# Altium PCB 10515.0461_全联供输出板_V1.1_20200827_1P.PcbDoc (part 2 of 4)
Units mm, origin at the board's own origin, x right, y up, seen from the top; angles counter-clockwise.
Board outline 141.98 x 134.8 mm, 2 copper layers (Top Layer, Bottom Layer); 162 components, 136 nets, 665 pads, 421 vias.
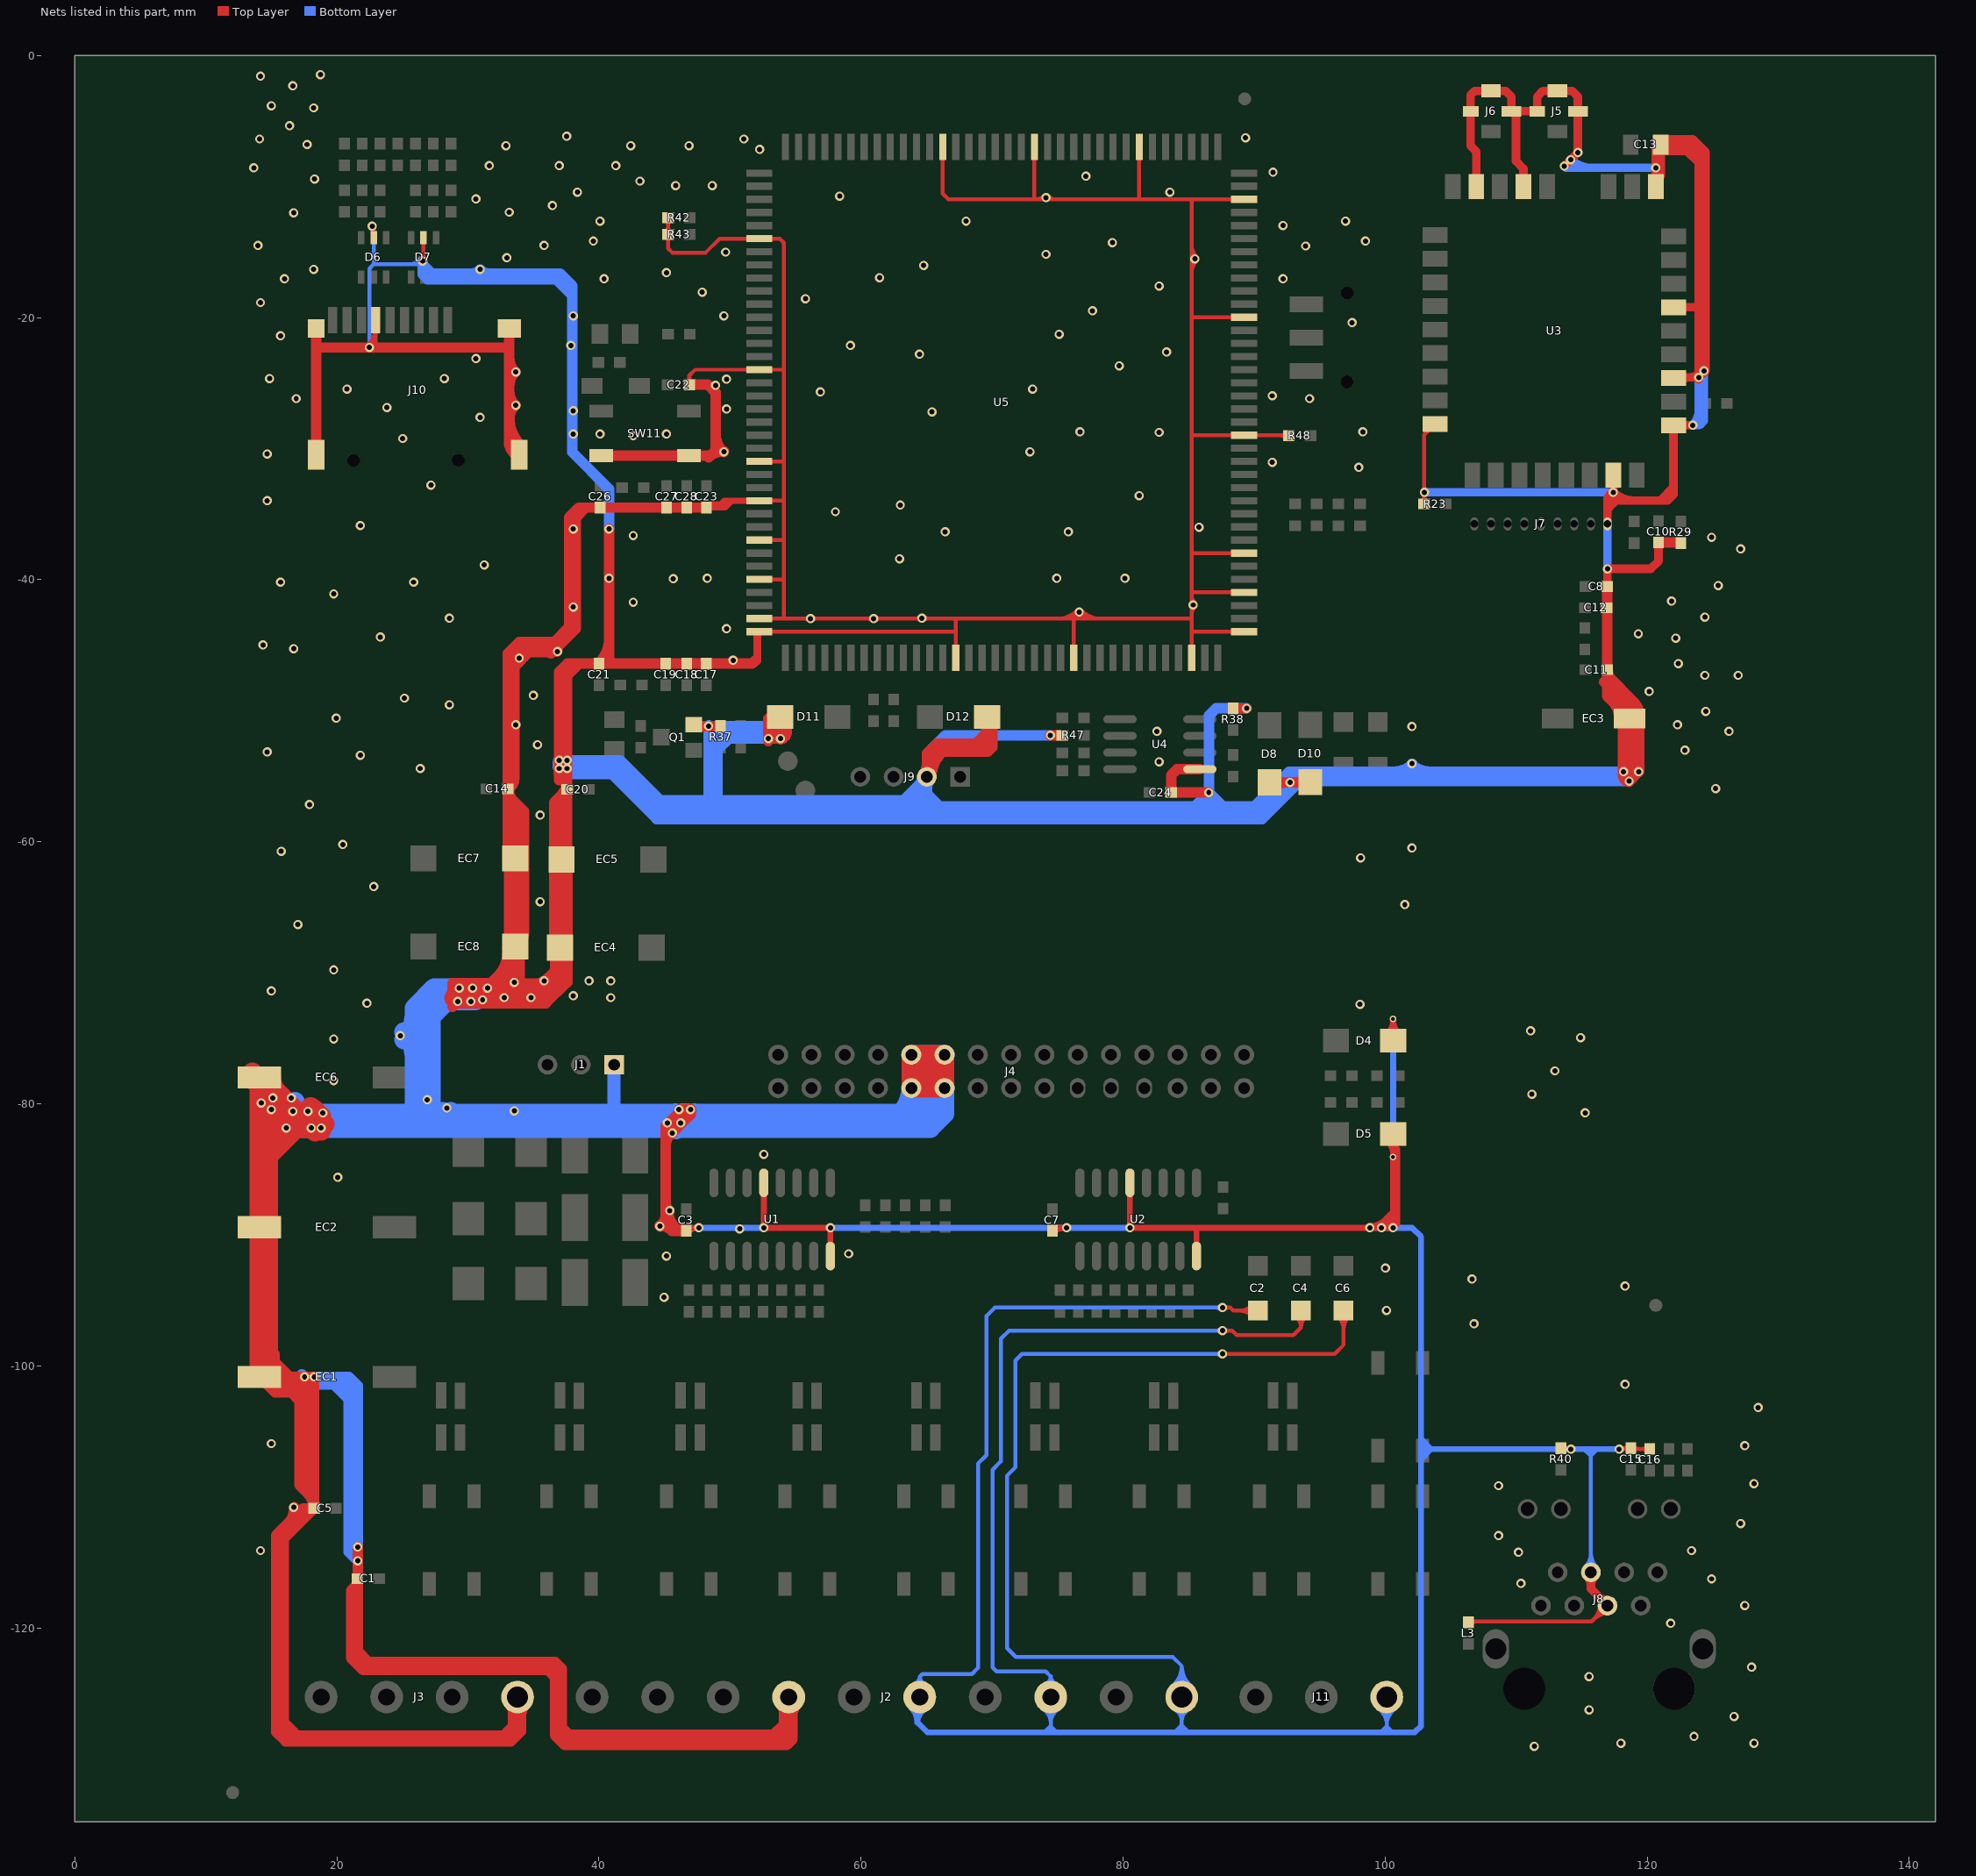
[diagram p2: the nets of this part, all layers, seen from the top]

## Via types
v1: diameter 0.7, hole 0.4, Top Layer to Bottom Layer, tented both sides, 417 vias
v2: diameter 0.5, hole 0.3, Top Layer to Bottom Layer, tented both sides, 4 vias

## Nets (pads, with @x,y where several pads share a name; then routed paths per layer and width w, separated by ;. In a path a pad name is that pad's centre, name@x,y a point inside that pad or via, vN(x,y) a via of type N, cw(c..) or ccw(c..) an arc to the next point about the centre after c; other vN are vias at no path point) (continued)
GND: C1.1 C2.2 C3.2 C4.2 C5.1 C6.2 C7.2 C8.2 C10.1 C11.2 C12.1 C13.1 C14.1 C15.2 C16.1 C17.1 C18.1 C19.1 C20.1 C21.1 C22.1 C23.1 C24.1 C26.1 C27.1 C28.1 D4.2 D5.2 D6.2 D7.2 D8.2 D10.2 D11.2 D12.2 EC1.2 EC2.2 EC3.2 EC4.2 EC5.2 EC6.2 EC7.2 EC8.2 J1.1 J2.1 J2.3 J2.5 J2.7 J3.1 J4.9 J4.10 J4.11 J4.12 J5.2 J5.3 J5.4 J6.2 J6.3 J6.4 J7.1 J8.4 J8.5 J9.2 J10.6 J10.10 J10.11 J10.12 J10.13 J11.1 L3.1 Q1.2 R23.1 R29.1 R37.1 R38.1 R40.2 R42.2 R43.2 R47.2 R48.1 SW11.3 SW11.4 U1.8 U1.13 U2.8 U2.13 U3.1 U3.5 U3.7 U3.17 U3.24 U3.26 U3.28 U3.31 U4.5 U5.6 U5.16 U5.23 U5.26 U5.29 U5.32 U5.35 U5.36 U5.50 U5.59 U5.68 U5.71 U5.74 U5.77 U5.86 U5.95 U5.104 U5.113 U5.121 U5.128 | length 2617.3
  Top Layer w0.3: v1@22.338,-22.137 ccw(c20.832,-20.631) J10.6@22.961,-20.631 ; v1@22.55,-22.349 ccw(c21.557,-21.356) 22.961,-21.356 ; v1@22.553,-13.153 cw(c21.958,-13.748) D6.2@22.799,-13.748 ; 22.762,-22.561 ccw(c22.281,-22.08) 22.961,-22.08 ; D6.2@22.799,-13.896 v1@22.799,-13.068 ; J10.6@22.82,-20.972 cw(c22.478,-21.314) 22.961,-21.314 cw(c23.444,-21.314) J10.6@23.103,-20.972 ; 22.961,-22.278 J10.6@22.961,-20.181 J10.6@22.961,-19.331 ; v1@26.402,-15.533 ccw(c25.901,-15.032) 26.609,-15.032 ; v1@26.609,-15.608 D7.2@26.609,-13.896 ; R43.2@45.094,-13.823 cw(c44.656,-14.261) 45.276,-14.261 cw(c45.895,-14.261) R43.2@45.457,-13.823 ; R43.2@45.094,-13.461 ccw(c44.656,-13.023) 45.276,-13.023 ccw(c45.895,-13.023) R43.2@45.457,-13.461 ; R42.2@45.094,-12.553 cw(c44.656,-12.991) 45.276,-12.991 cw(c45.895,-12.991) R42.2@45.457,-12.553 ; R42.2@45.275,-12.372 45.275,-14.721 45.593,-15.039 48.133,-15.039 49.203,-13.969 U5.6@52.232,-13.969 53.794,-13.969 54.102,-14.277 54.102,-42.969 ; C22.1@46.707,-24.941 ccw(c46.269,-24.503) 46.888,-24.503 ccw(c47.507,-24.503) C22.1@47.07,-24.941 ; C22.1@46.888,-25.122 46.888,-24.412 47.331,-23.969 U5.16@52.232,-23.969 54.015,-23.969 ; U5.16@51.419,-24.057 ccw(c51.205,-24.271) 51.205,-23.969 ccw(c51.205,-23.667) U5.16@51.419,-23.881 ; U5.6@51.419,-14.057 ccw(c51.205,-14.271) 51.205,-13.969 ccw(c51.205,-13.667) U5.6@51.419,-13.881 ; 51.943,-46.408 51.943,-45.519 ; 51.943,-45.646 51.943,-45.519 ; 51.943,-44.968 cw(c53.231,-44.968) 52.32,-44.057 ccw(c52.534,-44.271) 52.232,-44.271 ccw(c51.93,-44.271) U5.36@52.144,-44.057 ; 51.943,-44.244 cw(c52.507,-44.244) U5.36@52.108,-43.845 ; U5.36@52.003,-44.189 cw(c52.232,-44.418) U5.36@52.232,-44.094 ; U5.36@52.025,-44.167 ccw(c51.827,-43.969) U5.36@52.107,-43.969 ; 52.07,-46.408 52.232,-46.246 U5.36@52.232,-43.969 ; U5.35@52.232,-42.969 54.102,-42.969 ; U5.32@52.232,-39.969 54.064,-39.969 ; U5.29@52.232,-36.969 54.061,-36.969 ; U5.26@52.232,-33.969 54.095,-33.969 ; U5.23@52.232,-30.969 54.03,-30.969 ; U5.36@53.045,-44.057 cw(c53.259,-44.271) 53.259,-43.969 cw(c53.259,-43.667) U5.36@53.045,-43.881 ; U5.35@53.045,-43.057 cw(c53.259,-43.271) 53.259,-42.969 cw(c53.259,-42.667) U5.35@53.045,-42.881 ; U5.32@53.045,-40.057 cw(c53.259,-40.271) 53.259,-39.969 cw(c53.259,-39.667) U5.32@53.045,-39.881 ; U5.29@53.045,-37.057 cw(c53.259,-37.271) 53.259,-36.969 cw(c53.259,-36.667) U5.29@53.045,-36.881 ; U5.26@53.045,-34.057 cw(c53.259,-34.271) 53.259,-33.969 ; U5.26@53.045,-33.881 ccw(c53.259,-33.667) 53.259,-33.969 ; U5.23@53.045,-31.057 cw(c53.259,-31.271) 53.259,-30.969 cw(c53.259,-30.667) U5.23@53.045,-30.881 ; U5.16@53.045,-24.057 cw(c53.259,-24.271) 53.259,-23.969 cw(c53.259,-23.667) U5.16@53.045,-23.881 ; U5.6@53.045,-14.057 cw(c53.259,-14.271) 53.259,-13.969 cw(c53.259,-13.667) U5.6@53.045,-13.881 ; D11.2@53.823,-50.472 D11.2@53.823,-50.218 ; v1@55.993,-43.11 ccw(c55.651,-43.452) 55.651,-42.969 ccw(c55.651,-42.486) v1@55.993,-42.828 ; v1@56.275,-43.11 cw(c56.617,-43.452) 56.617,-42.969 cw(c56.617,-42.486) v1@56.275,-42.828 ; v1@60.819,-43.11 ccw(c60.477,-43.452) 60.477,-42.969 ccw(c60.477,-42.486) v1@60.819,-42.828 ; v1@61.101,-43.11 cw(c61.443,-43.452) 61.443,-42.969 cw(c61.443,-42.486) v1@61.101,-42.828 ; J4.10@63.833,-76.253 J4.12@66.373,-76.253 ; 64.092,-42.969 ccw(c64.092,-42.39) v1@64.502,-42.799 ; 64.228,-42.969 cw(c64.228,-43.356) v1@64.502,-43.082 ; J4.10@64.266,-76.686 cw(c65.31,-77.73) 65.31,-76.253 cw(c65.31,-74.775) J4.10@64.266,-75.82 ; v1@64.784,-43.082 cw(c65.058,-43.356) 65.058,-42.969 ; v1@64.784,-42.799 ccw(c65.194,-42.39) 65.194,-42.969 ; J4.12@65.94,-76.686 ccw(c64.895,-77.73) 64.895,-76.253 ccw(c64.895,-74.775) J4.12@65.94,-75.82 ; U5.128@66.144,-7.782 cw(c65.93,-7.996) 66.232,-7.996 cw(c66.534,-7.996) U5.128@66.32,-7.782 ; U5.128@66.232,-6.969 66.232,-10.532 66.669,-10.969 85.232,-10.969 ; U5.50@67.144,-45.156 ccw(c66.93,-44.942) 67.232,-44.942 ccw(c67.534,-44.942) U5.50@67.32,-45.156 ; 67.157,-43.969 U5.36@52.232,-43.969 ; U5.50@67.232,-45.969 67.232,-43.018 ; U5.121@73.144,-7.782 cw(c72.93,-7.996) 73.232,-7.996 cw(c73.534,-7.996) U5.121@73.32,-7.782 ; 73.232,-10.889 U5.121@73.232,-6.969 ; 73.333,-10.969 ccw(c73.333,-10.073) v1@73.967,-10.707 ; v1@74.25,-10.707 ccw(c74.883,-10.073) 74.883,-10.969 ; 74.963,-42.969 ccw(c74.963,-40.786) v1@76.507,-42.33 ; 75.687,-42.969 ccw(c75.687,-41.51) v1@76.719,-42.542 ; U5.59@76.144,-45.156 ccw(c75.93,-44.942) 76.232,-44.942 ccw(c76.534,-44.942) U5.59@76.32,-45.156 ; U5.59@76.232,-45.969 76.232,-43.064 ; 76.365,-42.754 ccw(c76.885,-42.234) 76.885,-42.969 ; 76.412,-42.969 ccw(c76.412,-42.234) 76.931,-42.754 ; v1@76.577,-42.542 ccw(c77.609,-41.51) 77.609,-42.969 ; v1@76.79,-42.33 ccw(c78.333,-40.786) 78.333,-42.969 ; U5.113@81.144,-7.782 cw(c80.93,-7.996) 81.232,-7.996 cw(c81.534,-7.996) U5.113@81.32,-7.782 ; 81.232,-10.921 U5.113@81.232,-6.969 ; 85.095,-42.969 54.102,-42.969 ; U5.68@85.144,-45.156 ccw(c84.93,-44.942) 85.232,-44.942 ccw(c85.534,-44.942) U5.68@85.32,-45.156 ; U5.68@85.232,-45.969 85.232,-10.969 ; 85.232,-42.678 cw(c86.097,-42.678) v1@85.485,-42.066 ; 85.232,-41.172 ccw(c86.097,-41.172) v1@85.485,-41.783 ; 85.232,-16.569 cw(c86.531,-16.569) v1@85.612,-15.65 ; 85.232,-15.844 cw(c85.807,-15.844) v1@85.4,-15.438 ; 85.232,-15.173 ccw(c85.807,-15.173) v1@85.4,-15.58 ; 85.232,-14.449 ccw(c86.531,-14.449) v1@85.612,-15.367 ; 85.272,-28.969 U5.86@89.232,-28.969 R48.1@92.607,-28.969 ; 85.289,-37.969 U5.77@89.232,-37.969 ; 85.333,-43.969 U5.71@89.232,-43.969 ; 85.337,-40.969 U5.74@89.232,-40.969 ; 85.382,-19.969 U5.95@89.232,-19.969 ; v1(87.579,-99.085) 96.139,-99.085 96.825,-98.4 C6.2@96.825,-95.784 ; v1(87.579,-95.555) 88.189,-95.555 88.418,-95.784 C2.2@90.297,-95.784 ; v1@87.63,-97.257 v1(87.579,-97.307) 88.316,-97.307 88.667,-97.658 92.994,-97.658 93.574,-97.079 ; v1@87.721,-99.227 cw(c88.062,-99.568) 88.062,-99.085 cw(c88.062,-98.603) v1@87.721,-98.944 ; v1@87.721,-97.449 cw(c88.062,-97.79) 88.062,-97.307 cw(c88.062,-96.825) v1@87.721,-97.166 ; v1@87.721,-95.696 cw(c88.062,-96.038) 88.062,-95.555 cw(c88.062,-95.072) v1@87.721,-95.413 ; U5.71@88.419,-44.057 ccw(c88.205,-44.271) 88.205,-43.969 ccw(c88.205,-43.667) U5.71@88.419,-43.881 ; U5.74@88.419,-41.057 ccw(c88.205,-41.271) 88.205,-40.969 ccw(c88.205,-40.667) U5.74@88.419,-40.881 ; U5.77@88.419,-38.057 ccw(c88.205,-38.271) 88.205,-37.969 ccw(c88.205,-37.667) U5.77@88.419,-37.881 ; U5.86@88.419,-29.057 ccw(c88.205,-29.271) 88.205,-28.969 ccw(c88.205,-28.667) U5.86@88.419,-28.881 ; U5.95@88.419,-20.057 ccw(c88.205,-20.271) 88.205,-19.969 ccw(c88.205,-19.667) U5.95@88.419,-19.881 ; U5.104@88.419,-11.057 ccw(c88.205,-11.271) 88.205,-10.969 ccw(c88.205,-10.667) U5.104@88.419,-10.881 ; U5.104@89.232,-10.969 85.232,-10.969 ; C2.2@89.873,-96.208 ccw(c88.848,-97.232) 88.848,-95.784 ccw(c88.848,-94.335) C2.2@89.873,-95.36 ; U5.86@90.045,-29.057 cw(c90.259,-29.271) 90.259,-28.969 cw(c90.259,-28.667) U5.86@90.045,-28.881 ; 91.893,-28.969 cw(c91.893,-29.725) R48.1@92.427,-29.19 ; 92.086,-28.969 ccw(c92.086,-28.487) R48.1@92.427,-28.828 ; C4.2@93.186,-96.242 cw(c92.476,-97.079) 93.574,-97.079 ; C4.2@93.574,-95.784 93.574,-97.079 ; C4.2@93.962,-96.242 ccw(c94.671,-97.079) 93.574,-97.079 ; C6.2@96.401,-96.208 cw(c95.376,-97.232) 96.825,-97.232 cw(c98.273,-97.232) C6.2@97.249,-96.208 ; R23.1@102.796,-34.035 ccw(c102.358,-33.597) 102.978,-33.597 ccw(c103.597,-33.597) R23.1@103.159,-34.035 ; v1@102.856,-33.468 cw(c102.561,-33.763) 102.978,-33.763 ; v1@102.856,-33.186 ccw(c102.561,-32.891) 102.978,-32.891 ; R23.1@102.978,-34.216 102.978,-28.934 U3.17@103.803,-28.108 ; R23.1@102.978,-33.857 cw(c103.527,-33.857) v1@103.138,-33.468 ; 102.978,-32.797 ccw(c103.527,-32.797) v1@103.138,-33.186 ; L3.1@106.369,-119.507 115.758,-119.507 J8.4@116.971,-118.294 ; L3.1@106.531,-119.714 cw(c107.03,-120.213) 107.03,-119.507 ; L3.1@106.531,-119.351 ccw(c106.907,-118.975) 106.907,-119.507 ; R40.2@113.411,-106.288 v1@114.236,-106.288 ; R40.2@113.537,-106.288 cw(c113.537,-106.988) v1@114.032,-106.493 ; R40.2@113.592,-106.47 cw(c114.03,-106.908) 114.03,-106.288 cw(c114.03,-105.669) R40.2@113.592,-106.107 ; J8.4@116.371,-118.294 cw(c114.922,-118.294) 115.947,-119.318 cw(c116.971,-120.343) J8.4@116.971,-118.894 ; v1@117.917,-106.291 C15.2@118.753,-106.291 ; v1@117.997,-106.493 cw(c118.487,-106.983) C15.2@118.487,-106.291 ; C15.2@118.571,-106.472 ccw(c118.134,-106.91) 118.134,-106.291 ccw(c118.134,-105.672) C15.2@118.571,-106.109 ; C15.2@118.798,-106.336 C16.1@120.192,-106.336 ; C15.2@118.934,-106.51 cw(c119.354,-106.931) 119.354,-106.336 ; C15.2@118.934,-106.148 ccw(c119.389,-105.693) 119.389,-106.336 ; C16.1@120.011,-106.517 ccw(c119.573,-106.955) 119.573,-106.336 ccw(c119.573,-105.717) C16.1@120.011,-106.155 ; U3.28@122.003,-24.608 U3.28@122.047,-24.608 ; v1@123.93,-24.586 v1(123.93,-24.564) ; 51.943,-45.519 51.943,-44.249 52.223,-43.969 U5.36@52.232,-43.969
  Top Layer w0.45: C3.2@46.659,-89.69 46.888,-89.461 v1(47.625,-89.461) ; C3.2@46.787,-89.78 cw(c47.557,-90.549) v1@47.557,-89.461 ; C23.1@48.21,-34.495 49.632,-34.495 50.158,-33.969 ; C23.1@48.338,-34.624 cw(c48.648,-34.933) 48.648,-34.495 cw(c48.648,-34.057) C23.1@48.338,-34.367 ; C23.1@48.338,-34.586 cw(c49.2,-35.447) 49.2,-34.229 ; C23.1@48.477,-34.229 49.289,-34.229 ; 49.022,-34.495 49.289,-34.229 ; U5.26@52.232,-33.969 50.158,-33.969 ; U1.13@52.578,-86.032 v1(52.578,-89.461) v1(57.658,-89.461) U1.8@57.658,-91.62 ; C7.2@74.727,-89.78 cw(c75.497,-90.549) v1@75.497,-89.461 ; C7.2@74.828,-89.461 v1(75.692,-89.461) ; U2.13@80.518,-86.032 v1(80.518,-89.461) 85.598,-89.461 ; U2.8@85.598,-91.62 85.598,-89.461 ; v1@98.831,-89.336 ccw(c98.831,-87.69) 99.995,-88.854 ; v1@99.388,-89.461 100.609,-88.24 ; v1@99.72,-89.336 ccw(c99.72,-88.488) 100.32,-89.088 ; v1@99.845,-89.461 cw(c100.949,-89.461) 100.168,-88.68 ; v1@99.946,-89.461 100.609,-88.798 ; 100.117,-89.29 cw(c100.525,-89.697) v1@100.719,-89.155 ; D5.2@100.132,-82.773 cw(c98.979,-83.926) 100.609,-83.926 cw(c102.239,-83.926) D5.2@101.086,-82.773 ; D4.2@100.132,-74.707 ccw(c98.979,-73.554) 100.609,-73.554 ccw(c102.239,-73.554) D4.2@101.086,-74.707 ; v1@100.521,-89.373 ccw(c99.57,-88.422) 100.914,-88.422 ; v2@100.591,-84.067 cw(c99.812,-84.846) 100.914,-84.846 ; v2@100.595,-84.028 ccw(c100.211,-83.439) 100.914,-83.439 ; D4.2@100.609,-75.184 v2(100.609,-73.508) ; 49.289,-34.229 49.548,-33.969 50.158,-33.969 ; 85.598,-89.461 v1(100.609,-89.461) ; v1(100.609,-89.461) v2(100.609,-84.049) D5.2@100.609,-82.296 100.609,-83.134 100.914,-83.439 ; v1(100.609,-89.461) 100.914,-89.156 100.914,-83.439
  Top Layer w0.65: U3.7@106.759,-9.464 ccw(c106.289,-8.994) 106.953,-8.994 ccw(c107.617,-8.994) U3.7@107.147,-9.464 ; U3.7@106.953,-10.008 106.953,-7.311 106.527,-6.885 J6.4@106.527,-4.244 106.527,-3 106.833,-2.694 J6.2@108.077,-2.694 109.194,-2.694 109.627,-3.127 J6.3@109.627,-4.244 ; U3.5@110.359,-9.464 ccw(c109.889,-8.994) 110.553,-8.994 ccw(c111.217,-8.994) U3.5@110.747,-9.464 ; U3.5@110.553,-10.008 110.553,-8.625 109.982,-8.054 109.982,-4.599 J6.3@109.627,-4.244 ; v1(113.665,-8.435) v1(114.707,-7.393) J5.3@114.707,-4.244 114.707,-3.127 114.274,-2.694 J5.2@113.157,-2.694 112.04,-2.694 111.607,-3.127 J5.4@111.607,-4.244 J6.3@109.627,-4.244 ; J8.5@115.4,-116.054 cw(c114.675,-116.78) 115.701,-116.78 cw(c116.727,-116.78) J8.5@116.001,-116.054 ; J8.5@115.701,-115.754 115.701,-117.024 J8.4@116.971,-118.294 ; J8.4@116.546,-118.294 ccw(c115.52,-118.294) 116.245,-117.568 ccw(c116.971,-116.843) J8.4@116.971,-117.869 ; C8.2@116.967,-40.491 v1(116.967,-39.169) 120.269,-39.169 120.854,-38.584 C10.1@120.854,-37.162 ; J7.1@116.967,-35.74 116.967,-34.597 ; 116.967,-34.457 cw(c118.54,-34.457) v1@117.428,-33.345 ; 116.967,-33.954 cw(c117.596,-33.954) v1@117.417,-33.351 ; U3.24@117.216,-32.552 cw(c116.746,-33.022) 117.41,-33.022 cw(c118.074,-33.022) U3.24@117.605,-32.552 ; v1(117.41,-33.327) 116.967,-33.77 116.967,-34.597 ; U3.24@117.41,-32.008 117.41,-33.962 ; v1@117.428,-33.309 ccw(c119.004,-31.734) 119.004,-33.962 ; v1@120.635,-8.544 ccw(c119.68,-7.589) 121.031,-7.589 ; v1@120.642,-8.585 cw(c120.357,-9.195) U3.1@121.031,-9.195 ; v1@120.653,-8.508 cw(c122.573,-8.508) 121.215,-7.15 ccw(c121.661,-7.596) 121.031,-7.596 ; C13.1@120.827,-7.15 cw(c120.333,-7.644) 121.031,-7.644 ; U3.1@120.847,-9.464 cw(c121.317,-8.994) 120.653,-8.994 cw(c119.989,-8.994) 120.459,-9.464 ccw(c119.077,-8.082) 121.031,-8.082 ; 120.987,-33.962 122.003,-32.946 ; C13.1@121.021,-6.54 C13.1@121.021,-6.794 ; C13.1@121.031,-6.804 121.031,-9.07 120.653,-9.448 U3.1@120.653,-10.008 v1(120.653,-8.562) 120.653,-7.162 C13.1@121.021,-6.794 ; C13.1@121.215,-6.826 cw(c122.304,-7.915) 122.304,-6.375 ; C13.1@121.215,-6.762 ccw(c122.496,-5.481) 122.496,-7.292 ; U3.26@121.809,-28.402 cw(c121.339,-28.872) 122.003,-28.872 cw(c122.667,-28.872) U3.26@122.197,-28.402 ; U3.31@122.003,-19.208 123.93,-19.208 ; U3.28@122.047,-24.564 v1(123.93,-24.564) 123.93,-19.208 ; U3.26@122.547,-28.402 cw(c123.017,-28.872) 123.017,-28.208 cw(c123.017,-27.544) U3.26@122.547,-28.014 ; U3.28@122.547,-24.802 cw(c123.123,-25.378) 123.123,-24.564 ; U3.31@122.547,-19.402 cw(c123.017,-19.872) 123.017,-19.208 cw(c123.017,-18.544) U3.31@122.547,-19.014 ; 123.046,-24.564 ccw(c123.046,-22.769) 124.315,-24.038 ccw(c123.966,-23.689) 124.46,-23.689 ; v1(123.483,-28.208) U3.26@122.003,-28.208 122.003,-32.946 ; v1@123.93,-24.704 cw(c124.61,-24.704) v1@124.343,-24.079 ; v1@123.93,-24.586 124.46,-24.056 124.46,-8.534 ; 123.93,-23.023 ccw(c125.366,-23.023) v1@124.351,-24.038 ; 123.93,-8.181 123.041,-7.292 121.519,-7.292 C13.1@121.021,-6.794 ; 116.967,-34.597 117.41,-34.154 117.41,-33.962 ; 117.41,-33.962 121.539,-33.962 122.003,-33.498 122.003,-32.946 ; C13.1@121.021,-6.794 123.888,-6.794 124.46,-7.366 ; C13.1@121.021,-6.794 123.178,-6.794 123.93,-7.546 ; C13.1@121.021,-6.794 121.44,-6.375 123.469,-6.375 124.46,-7.366 ; 121.685,-6.794 cw(c121.685,-6.13) 121.215,-6.6 ccw(c121.685,-6.13) 121.685,-6.794 ; 121.685,-6.794 ccw(c121.685,-7.458) 121.215,-6.988 cw(c121.685,-7.458) 121.685,-6.794 ; 123.93,-19.208 123.93,-7.546 ; 123.93,-7.546 124.46,-8.076 124.46,-8.534 ; 124.46,-8.534 124.46,-7.366